# Altium PCB RGV_Control_1V21.PcbDoc (part 4 of 6) (continued)
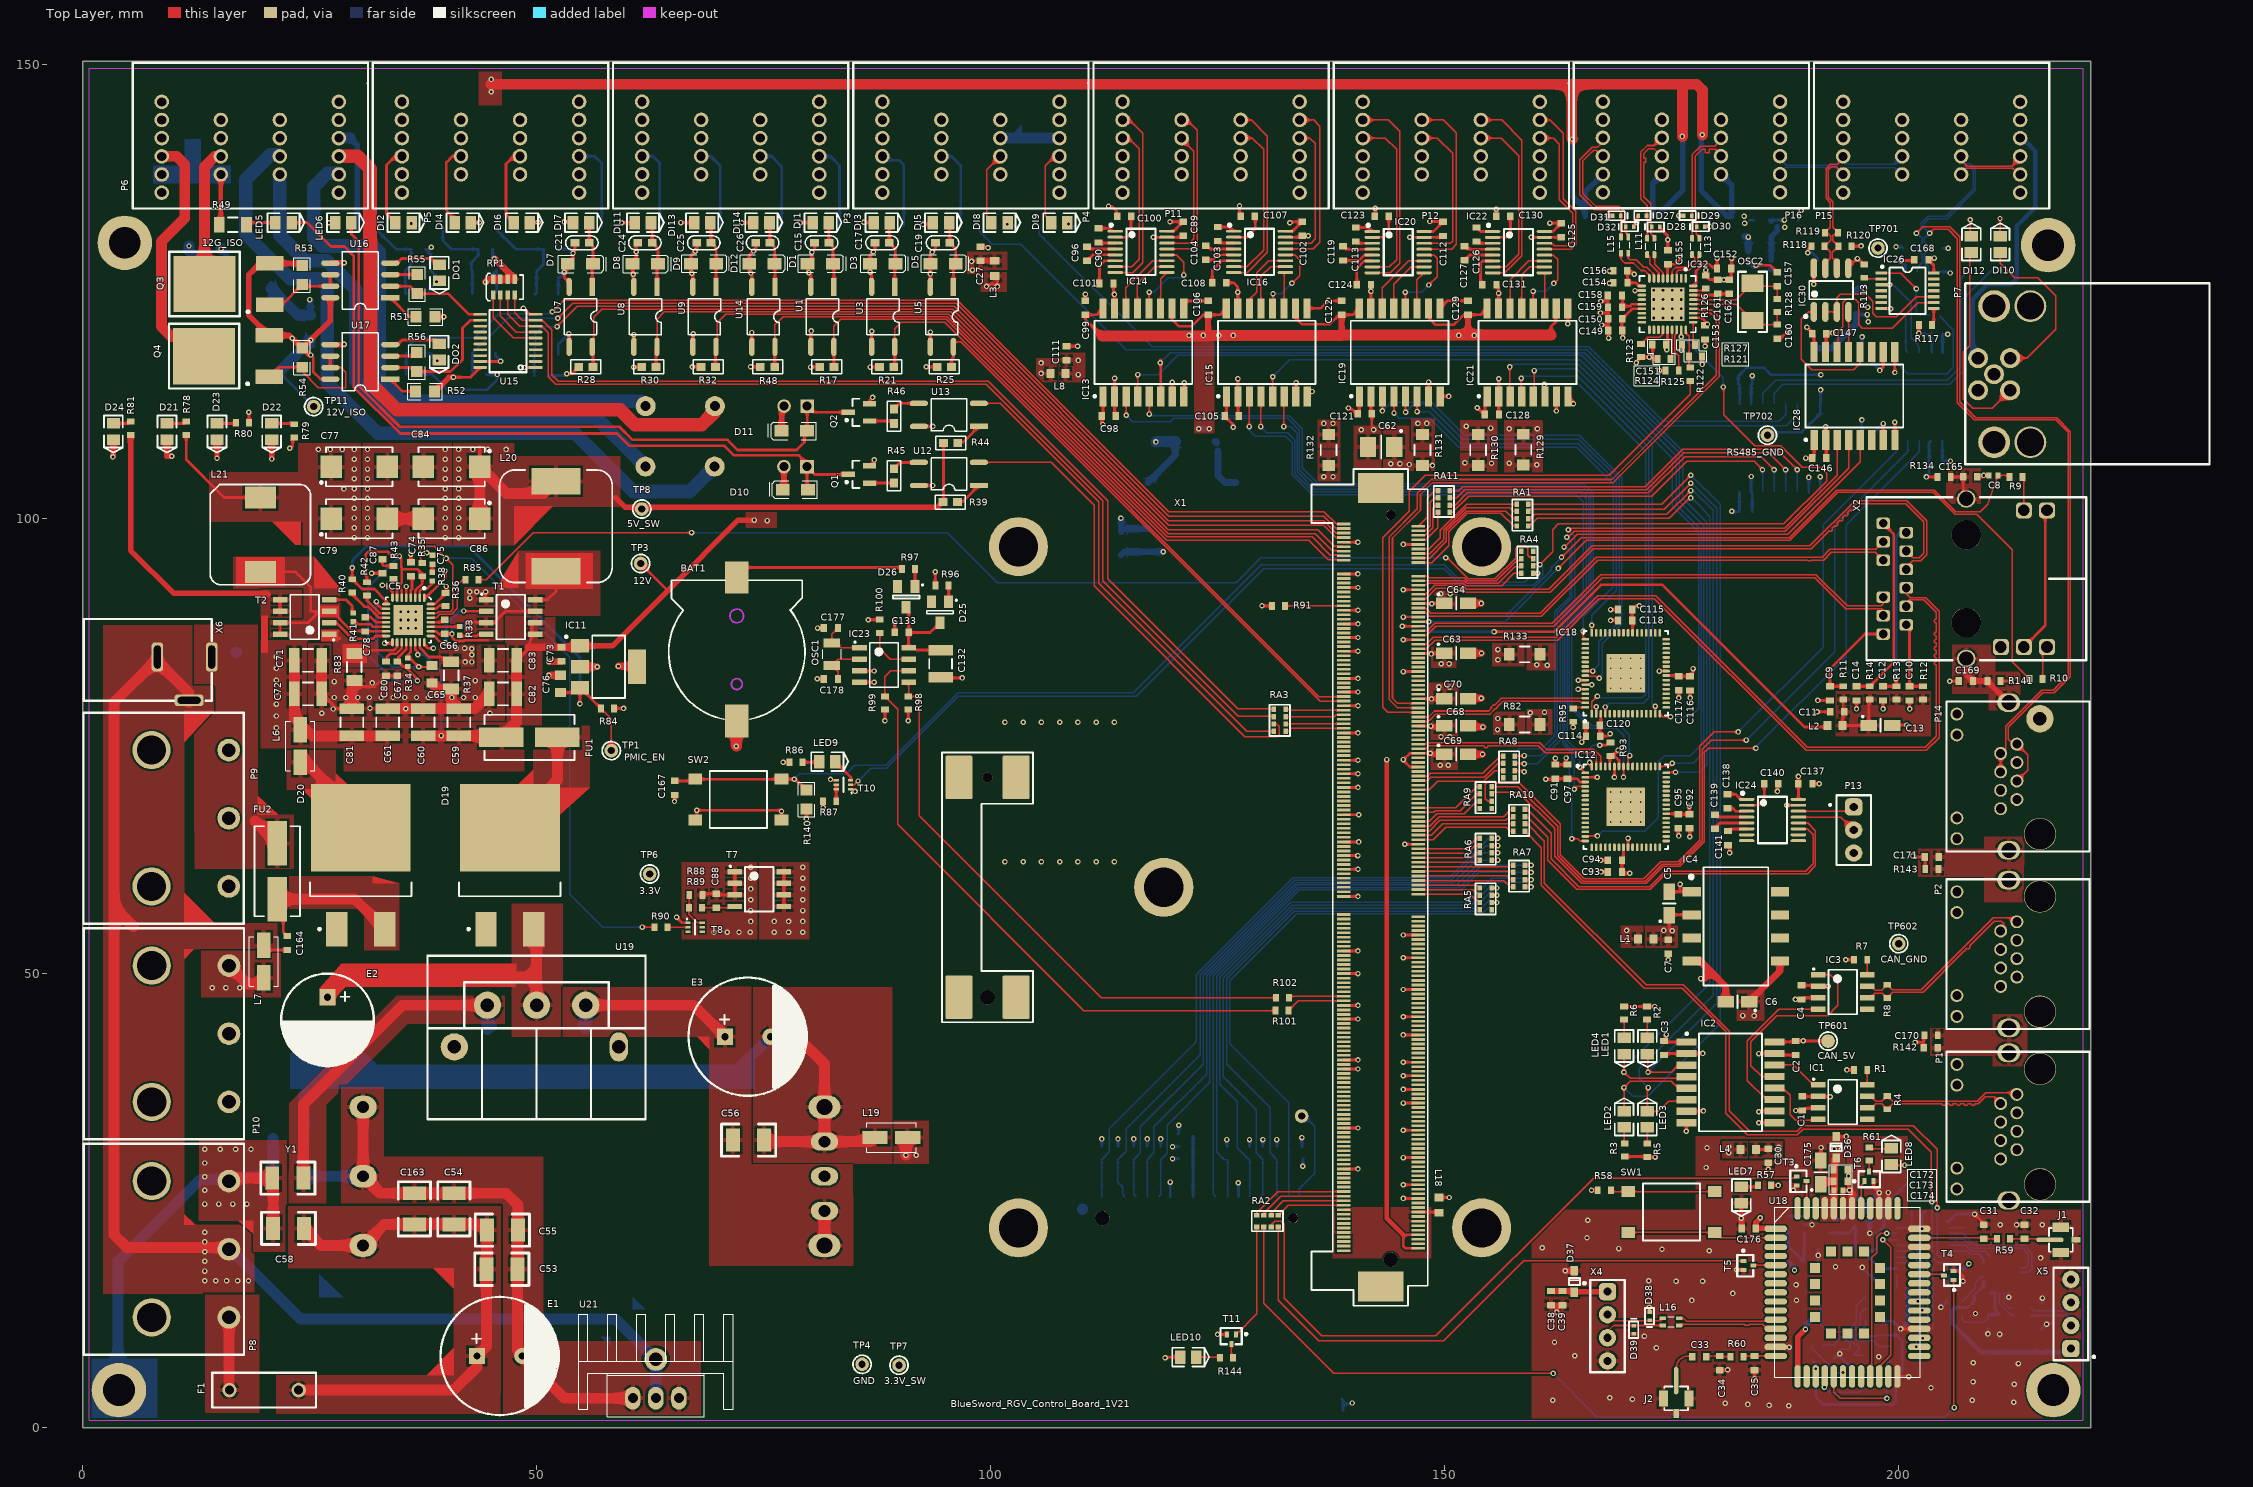
[diagram p0: Top Layer view]
## Nets (pads, with @x,y where several pads share a name; then routed paths per layer and width w, separated by ;. In a path a pad name is that pad's centre, name@x,y a point inside that pad or via, vN(x,y) a via of type N, cw(c..) or ccw(c..) an arc to the next point about the centre after c; other vN are vias at no path point) (continued)
NetDI12_K: DI12.K R139.2 | length 2.9
  Top Layer w0.15: v1(207.85,132.95) 207.85,131.24 DI12.K@207.975,131.115
  Bottom Layer w0.15: v1(207.85,132.95) 207.875,132.925 207.875,131.994 R139.2@207.856,131.975
NetDI13_A: DI13.A R31.2 | length 1.5
  Top Layer w0.3: v1(65.875,132.625) DI13.A@67.353,132.625
NetDI14_A: DI14.A R47.2 | length 1.3
  Top Layer w0.3: v1(72.625,132.6) 72.65,132.625 DI14.A@73.875,132.625
NetDO1_A: DO1.A U16.4 | length 5.9
  Top Layer w0.3: U16.4@33.907,128.168 34.658,128.168 35.155,128.665 38.369,128.665 38.659,128.375 38.936,128.375 DO1.A@39.319,127.992
NetDO2_A: DO2.A U17.4 | length 5.8
  Top Layer w0.3: U17.4@33.907,119.202 34.725,119.202 35.223,119.7 38.873,119.7 DO2.A@39.294,119.279
NetIC1_5: IC1.5
NetIC1_8: IC1.8 R1.1 | length 1.7
  Top Layer w0.15: IC1.8@196.502,37.668 196.502,39.339 R1.1@196.508,39.346
NetIC3_5: IC3.5
NetIC3_8: IC3.8 R7.1 | length 1.7
  Top Layer w0.15: IC3.8@196.502,49.835 196.502,51.481 R7.1@196.508,51.487
NetIC4_3: IC4.3
NetIC4_6: IC4.6
NetIC4_7: IC4.7
NetIC4_8: IC4.8
NetIC5_2: IC5.2 R38.2 | length 2.7
  Top Layer w0.3: IC5.2@37.155,91.325 37.155,92.045 37.49,92.38 38.024,92.38 38.538,92.894 R38.2@38.538,93.18
NetIC5_7: IC5.7 R43.2 | length 2.2
  Top Layer w0.3: R43.2@34.265,93.368 34.605,93.027 34.605,92.129 34.655,92.079 IC5.7@34.655,91.325
NetIC5_11: IC5.11 R42.1 | length 3.3
  Top Layer w0.3: R42.1@31.333,91.579 31.352,91.559 31.352,91.003 32.731,89.625 IC5.11@33.455,89.625
NetIC5_12: IC5.12 R40.2 | length 5
  Top Layer w0.3: R40.2@29.718,91.909 29.718,91.694 31.066,90.346 31.444,90.346 32.665,89.125 IC5.12@33.455,89.125
NetIC5_14: IC5.14 R41.1 | length 3.6
  Top Layer w0.3: R41.1@30.015,88.621 30.099,88.621 30.302,88.417 31.71,88.417 32.003,88.125 IC5.14@33.455,88.125
NetIC5_16: IC5.16 T2.2 | length 7.1
  Top Layer w0.3: T2.2@27.175,88.57 27.965,88.57 29.718,86.817 32.004,86.817 32.311,87.125 IC5.16@33.455,87.125
NetIC5_18: IC5.18 R83.1 T2.1 | length 6.7
  Top Layer w0.3: T2.1@27.175,87.3 T2.1@27.646,87.3 ; R83.1@29.936,85.608 29.936,85.203 R83.1@29.947,85.193 30.272,84.868 30.951,85.547 34.315,85.547 34.655,85.887 IC5.18@34.655,86.425
NetIC5_23: IC5.23 R37.1 T1.1 | length 5.6
  Top Layer w0.3: IC5.23@37.155,86.425 37.155,85.83 38.174,84.811 39.446,84.811 39.978,84.279 R37.1@40.486,84.279 ; T1.1@43.96,91.11 44.4,91.55 ; 44.399,91.551 v1(44.399,91.999)
  other v1: 42.139,84.257 42.875,84.252 42.875,85.039 42.875,85.725 41.159,85.757 42.088,85.75 42.672,91.288 42.647,91.973 43.434,91.999
NetIC5_25: IC5.25 T1.2 | length 7.7
  Top Layer w0.3: IC5.25@38.787,87.074 39.45,86.411 39.475,86.411 39.628,86.258 v1@39.903,86.258 ; v1(41.986,89.865) 42.011,89.84 43.619,89.84
  Bottom Layer w0.3: v1(39.957,86.385) 40.054,86.482 40.054,88.415 41.504,89.865 v1(41.986,89.865)
NetIC5_27: IC5.27 R33.1 | length 3
  Top Layer w0.3: IC5.27@38.355,88.125 41.326,88.125 R33.1@41.366,88.085
NetIC5_29: IC5.29 R85.2 | length 7.1
  Top Layer w0.15: IC5.29@38.355,89.125 38.964,89.125 39.375,89.535 40.656,89.535 41.3,90.179 41.3,92.729 41.891,93.32 R85.2@42.191,93.32
NetIC5_31: IC5.31 R36.2 | length 1.8
  Top Layer w0.3: IC5.31@38.355,90.125 38.969,90.125 39.319,90.475 39.803,90.475 R36.2@39.969,90.309
NetIC6_3: IC6.3 R139.1 | length 35.4
  Bottom Layer w0.15: IC6.3@184.998,112.673 184.998,113.848 186.425,115.275 205.3,115.275 206.781,116.756 206.781,126.5 R139.1@207.856,127.575
NetIC6_4: IC6.4 R138.1 | length 36.4
  Bottom Layer w0.15: IC6.4@186.268,112.673 186.268,113.848 187.228,114.808 205.599,114.808 207.213,116.422 207.213,124.363 210.5,127.65 R138.1@211.15,127.65
NetIC6_5: IC6.5 R137.1 | length 93.1
  Bottom Layer w0.15: R137.1@105.375,132.25 105.375,131.353 117.778,118.95 165.86,118.95 174.035,110.775 186.815,110.775 187.538,111.498 IC6.5@187.538,112.673
NetIC6_6: IC6.6 R136.1 | length 101.2
  Bottom Layer w0.15: R136.1@98.775,132.275 98.775,131.65 100.199,130.226 103.302,130.226 114.91,118.618 165.633,118.618 173.965,110.287 187.597,110.287 188.808,111.498 IC6.6@188.808,112.673
NetIC6_7: IC6.7
NetIC7_3: IC7.3
NetIC7_6: IC7.6
NetIC7_7: IC7.7
NetIC7_8: IC7.8
NetIC8_1: IC8.1
NetIC8_9: IC8.9 R72.2 | length 3.8
  Bottom Layer w0.15: R72.2@206.972,13.875 208.4,15.303 208.4,15.925 209.025,16.55 IC8.9@209.325,16.55
NetIC8_10: IC8.10
NetIC8_11: IC8.11
NetIC8_14: IC8.14
NetIC8_15: IC8.15
NetIC8_16: IC8.16
NetIC8_17: IC8.17
NetIC8_18: IC8.18
NetIC8_19: IC8.19
NetIC8_22: IC8.22
NetIC8_23: IC8.23
NetIC8_24: IC8.24
NetIC9_1: IC9.1 R67.2 | length 1.7
  Bottom Layer w0.15: R67.2@199.575,15.15 199.766,15.341 IC9.1@199.766,16.793
NetIC9_9: IC9.9 R69.2 | length 3.2
  Bottom Layer w0.15: IC9.9@199.766,21.993 199.813,21.946 200.896,21.946 201.434,22.484 R69.2@201.434,23.79
NetIC9_10: IC9.10 R71.2 | length 1.2
  Bottom Layer w0.15: IC9.10@199.766,22.643 199.766,23.822 R71.2@199.81,23.866
NetIC9_12: IC9.12 R70.1 | length 1.8
  Bottom Layer w0.15: IC9.12@205.466,21.993 207.224,21.993 R70.1@207.264,22.033
NetIC9_20: IC9.20 R68.1 | length 1.4
  Bottom Layer w0.15: R68.1@205.25,15.45 205.466,15.666 IC9.20@205.466,16.793
NetIC10_3: IC10.3 R75.2 | length 1.9
  Bottom Layer w0.3: R75.2@187.749,23.229 189.52,23.229 IC10.3@189.592,23.302
NetIC10_4: IC10.4 R76.1 R77.2 | length 3.3
  Bottom Layer w0.3: IC10.4@192.392,23.302 192.846,22.848 R76.1@193.913,22.848 194.738,23.673 R77.2@195.184,23.673
NetIC12_1: IC12.1 IC15.6 | length 74.8
  Top Layer w0.15: v1(132.275,110.175) 132.275,113.345 132.225,113.395 IC15.6@132.319,113.489 ; v1(164.871,72.655) IC12.1@165.476,72.051
  Bottom Layer w0.15: v1(132.275,110.175) 133.025,110.175 133.75,109.45 133.75,105.175 135.632,103.293 164.922,103.293 165.825,102.39 165.825,91.251 163.475,88.901 163.475,75.575 164.871,74.179 v1(164.871,72.655)
NetIC12_4: IC12.4 IC15.4 | length 79.4
  Top Layer w0.15: v1@129.75,110.1 v1(129.75,110.175) 129.75,113.375 129.707,113.417 IC15.4@129.779,113.489 ; v1(164.263,70.231) 164.593,70.561 165.465,70.561 IC12.4@165.476,70.551
  Bottom Layer w0.15: v1@129.75,110.1 130.375,109.475 132.725,109.475 133.5,108.7 133.5,105 135.507,102.993 164.798,102.993 165.575,102.215 165.575,91.525 163.225,89.175 163.225,75.359 164.263,74.322 v1(164.263,70.231)
NetIC12_5: IC12.5
NetIC12_6: IC12.6
NetIC12_7: IC12.7
NetIC12_8: IC12.8
NetIC12_9: IC12.9
NetIC12_10: IC12.10
NetIC12_11: IC12.11
NetIC12_12: IC12.12
NetIC12_13: IC12.13
NetIC12_14: IC12.14
NetIC12_15: IC12.15 IC15.5 | length 105.3
  Top Layer w0.15: IC15.5@131.049,113.489 v1(131.049,115.649) ; IC12.15@165.476,65.051 165.526,65.051 165.575,65.1 v1(166.802,65.1)
  Bottom Layer w0.15: v1(131.049,115.649) 132.95,117.55 164.873,117.55 175.489,106.934 175.489,101.575 178.25,98.813 178.25,75.125 177.05,73.925 174.193,73.925 173.525,73.257 173.525,67.099 172.034,65.608 167.31,65.608 v1(166.802,65.1)
NetIC12_16: IC12.16 IC15.3 | length 86
  Top Layer w0.15: v1@128.473,110.388 128.473,113.453 IC15.3@128.509,113.489 ; v1@164.059,64.795 164.627,64.795 164.871,64.551 IC12.16@165.476,64.551
  Bottom Layer w0.15: v1@128.473,110.388 v1(128.473,110.175) 128.473,109.777 129.125,109.125 132.45,109.125 133.2,108.375 133.2,104.875 135.411,102.664 164.467,102.664 165.25,101.882 165.25,91.7 162.975,89.425 162.975,76.675 162.975,75.256 163.975,74.256 163.975,73.373 163.688,73.085 163.688,69.993 163.982,69.698 v1(163.982,64.795)
NetIC12_17: IC12.17
NetIC12_18: IC12.18
NetIC12_19: IC12.19
NetIC12_20: IC12.20
NetIC12_21: IC12.21
NetIC12_22: IC12.22
NetIC12_23: IC12.23
NetIC12_26: IC12.26
NetIC12_27: IC12.27
NetIC12_28: IC12.28
NetIC12_29: IC12.29
NetIC12_30: IC12.30
NetIC12_31: IC12.31
NetIC12_32: IC12.32
NetIC12_33: IC12.33
NetIC12_34: IC12.34
NetIC12_35: IC12.35
NetIC12_36: IC12.36
NetIC12_37: IC12.37
NetIC12_38: IC12.38
NetIC12_40: IC12.40
NetIC12_41: IC12.41
NetIC12_42: IC12.42
NetIC12_43: IC12.43
NetIC12_44: IC12.44
NetIC12_45: IC12.45
NetIC12_46: IC12.46
NetIC12_47: IC12.47
NetIC12_48: IC12.48 IC13.6 | length 107.4
  Top Layer w0.15: IC12.48@174.376,72.051 174.443,71.984 174.57,72.111 v1(175.4,72.111)
  Top Layer w0.3: v1(118.675,117.2) 118.675,117.487 118.73,117.541 IC13.6@118.73,113.489
  Bottom Layer w0.15: v1(118.675,117.2) 119.775,118.3 165.342,118.3 176.2,107.442 176.2,102.26 178.85,99.61 178.85,72.925 178.036,72.111 v1(175.4,72.111)
NetIC12_49: IC12.49 IC13.4 | length 107
  Top Layer w0.15: IC13.4@116.19,113.489 v1(116.19,115.893) ; IC12.49@173.676,72.751 174.682,72.751 v1(175.031,73.1)
  Bottom Layer w0.15: v1(116.19,115.893) 118.433,115.893 120.574,118.034 165.1,118.034 175.819,107.315 175.819,101.956 178.525,99.249 178.525,74.275 177.35,73.1 v1(175.031,73.1)
NetIC12_50: IC12.50
NetIC12_51: IC12.51
NetIC12_52: IC12.52
NetIC12_53: IC12.53
NetIC12_54: IC12.54
NetIC12_55: IC12.55
NetIC12_56: IC12.56 IC13.5 | length 92.7
  Top Layer w0.15: IC13.5@117.46,113.489 117.475,113.473 v1(117.475,111.55) ; IC12.56@170.176,72.751 170.176,73.751 v1(170.375,73.95)
  Bottom Layer w0.15: v1(117.475,111.55) 117.671,111.354 132.867,111.354 134.315,109.906 134.315,105.635 136.057,103.893 165.322,103.893 166.325,102.89 166.325,90.8 163.975,88.45 163.975,79.431 166.194,77.212 169.313,77.212 170.3,76.225 170.3,73.875 v1(170.375,73.95)
NetIC12_57: IC12.57 IC13.3 | length 97.1
  Top Layer w0.15: v1(114.92,111.424) IC13.3@114.92,113.489 ; v1(169.676,71.55) IC12.57@169.676,72.751
  Bottom Layer w0.15: v1(114.92,111.424) 115.644,110.7 119.791,110.7 120.165,111.074 132.715,111.074 134,109.789 134,105.44 135.834,103.607 165.125,103.607 166.075,102.657 166.075,91.05 163.725,88.7 163.725,79.327 166.091,76.962 168.888,76.962 169.676,76.174 v1(169.676,71.55)
NetIC12_61: IC12.61
NetIC12_64: IC12.64 R93.1 | length 4.7
  Top Layer w0.3: v1(165.938,73.196) 165.938,72.988 IC12.64@166.176,72.751 ; v1(167.05,75.1) 167.771,75.1 R93.1@168.199,75.528
  Bottom Layer w0.15: v1(165.938,73.196) 165.938,74.738 166.3,75.1 v1(167.05,75.1)
NetIC13_11: IC13.11 IC14.9 | length 4.2
  Top Layer w0.15: IC13.11@118.71,123.189 118.71,126.426 IC14.9@119.408,127.124
NetIC13_12: IC13.12 IC14.12 | length 10
  Top Layer w0.15: IC13.12@117.44,123.189 117.44,124.933 v1(117.475,124.969) ; IC14.12@119.408,129.074 120.451,129.074 121.26,128.265 v1(121.26,126.848)
  Bottom Layer w0.15: v1(117.475,124.969) 117.933,124.969 119.532,126.568 120.98,126.568 v1(121.26,126.848)
NetIC13_13: IC13.13 IC14.10 | length 6.7
  Top Layer w0.15: IC13.13@116.17,123.189 116.17,125.895 118.049,127.774 IC14.10@119.408,127.774
NetIC13_14: IC13.14 IC14.11 | length 8
  Top Layer w0.15: IC13.14@114.9,123.189 114.9,125.45 117.874,128.424 IC14.11@119.408,128.424
NetIC15_11: IC15.11 IC16.9 | length 4
  Top Layer w0.15: IC15.11@132.299,123.189 132.299,126.967 IC16.9@132.455,127.123
NetIC15_12: IC15.12 IC16.12 | length 8.9
  Top Layer w0.15: IC15.12@131.029,123.189 131.089,123.249 v1(131.089,124.79) ; IC16.12@132.455,129.073 133.507,129.073 134.025,128.555 134.025,126.795 v1@133.18,125.951
  Bottom Layer w0.15: v1(131.089,124.79) 132.004,124.79 v1(133.172,125.959)
NetIC15_13: IC15.13 IC16.10 | length 6.7
  Top Layer w0.15: IC15.13@129.759,123.189 129.759,126.709 130.823,127.773 IC16.10@132.455,127.773
NetIC15_14: IC15.14 IC16.11 | length 8
  Top Layer w0.15: IC15.14@128.489,123.189 128.489,124.172 129.3,124.983 129.3,127.125 130.598,128.423 IC16.11@132.455,128.423
NetIC17_3: IC17.3
NetIC17_6: IC17.6
NetIC17_7: IC17.7
NetIC17_8: IC17.8
NetIC18_1: IC18.1 IC21.6 | length 50
  Top Layer w0.15: v1(160.96,114.808) 160.96,113.549 IC21.6@161.021,113.489 ; IC18.1@166.176,78.557 166.182,78.551 166.201,78.57 166.201,79.894 v1(166.8,80.493)
  Bottom Layer w0.15: v1(160.96,114.808) 164.744,114.808 172.11,107.442 172.11,80.721 171.704,80.315 166.978,80.315 v1(166.8,80.493)
NetIC18_4: IC18.4 IC21.4 | length 52.9
  Top Layer w0.15: v1(158.42,115.5) 158.42,113.549 IC21.4@158.481,113.489 ; IC18.4@167.676,78.557 v1(167.676,79.298)
  Bottom Layer w0.15: v1(158.42,115.5) 158.642,115.722 164.643,115.722 172.466,107.899 172.466,80.319 171.853,79.706 168.084,79.706 v1(167.676,79.298)
NetIC18_5: IC18.5
NetIC18_6: IC18.6
NetIC18_7: IC18.7
NetIC18_8: IC18.8
NetIC18_9: IC18.9
NetIC18_10: IC18.10
NetIC18_11: IC18.11
NetIC18_12: IC18.12
NetIC18_13: IC18.13
NetIC18_14: IC18.14
NetIC18_15: IC18.15 IC21.5 | length 49.2
  Top Layer w0.15: IC21.5@159.751,113.489 159.842,113.58 v1(159.842,116.332) ; IC18.15@173.176,78.557 v1(173.176,79.375)
  Bottom Layer w0.15: v1(159.842,116.332) 160.045,116.535 164.541,116.535 172.847,108.229 172.847,79.704 v1(173.176,79.375)
NetIC18_16: IC18.16 IC21.3 | length 59.3
  Top Layer w0.15: v1(157.15,116.738) 157.15,113.549 IC21.3@157.211,113.489 ; IC18.16@173.676,78.557 174.008,78.225 v1(174.85,78.225)
  Bottom Layer w0.15: v1(157.15,116.738) 157.15,116.571 157.597,117.018 164.694,117.018 175.05,106.661 175.05,101.429 177.95,98.529 177.95,79.15 177.025,78.225 v1(174.85,78.225)
NetIC18_17: IC18.17
NetIC18_18: IC18.18
NetIC18_19: IC18.19
NetIC18_20: IC18.20
NetIC18_21: IC18.21
NetIC18_22: IC18.22
NetIC18_23: IC18.23
NetIC18_26: IC18.26
NetIC18_27: IC18.27
NetIC18_28: IC18.28
NetIC18_29: IC18.29
NetIC18_30: IC18.30
NetIC18_31: IC18.31
NetIC18_32: IC18.32
NetIC18_33: IC18.33
NetIC18_34: IC18.34
NetIC18_35: IC18.35
NetIC18_36: IC18.36
NetIC18_37: IC18.37
NetIC18_38: IC18.38
NetIC18_40: IC18.40
NetIC18_41: IC18.41
NetIC18_42: IC18.42
NetIC18_43: IC18.43
NetIC18_44: IC18.44
NetIC18_45: IC18.45
NetIC18_46: IC18.46
NetIC18_47: IC18.47
NetIC18_48: IC18.48 IC19.6 | length 44.6
  Top Layer w0.15: v1(146.949,111.826) IC19.6@146.949,113.489 ; v1(166.175,88.3) 166.175,87.458 IC18.48@166.176,87.457
  Bottom Layer w0.15: v1(146.949,111.826) 148.274,111.826 151.8,108.3 164.705,108.3 168.859,104.146 168.859,92.084 166.175,89.4 v1(166.175,88.3)
NetIC18_49: IC18.49 IC19.4 | length 47.8
  Top Layer w0.15: v1(144.409,111.659) IC19.4@144.409,113.489 ; v1(165.225,87.625) 165.225,87.008 IC18.49@165.476,86.757
  Bottom Layer w0.15: v1(144.409,111.659) 144.968,111.1 148.35,111.1 151.55,107.9 164.54,107.9 168.554,103.886 168.554,92.554 165.225,89.225 v1(165.225,87.625)
NetIC18_50: IC18.50
NetIC18_51: IC18.51
NetIC18_52: IC18.52
NetIC18_53: IC18.53
NetIC18_54: IC18.54
NetIC18_55: IC18.55
NetIC18_56: IC18.56 IC19.5 | length 52.2
  Top Layer w0.15: v1(145.679,111.754) IC19.5@145.679,113.489 ; IC18.56@165.476,83.257 v1(166.282,83.257)
  Bottom Layer w0.15: v1(145.679,111.754) 146.55,112.625 148.129,112.625 151.954,108.8 164.775,108.8 169.189,104.386 169.189,88.697 166.954,86.462 166.954,83.929 v1(166.282,83.257)
NetIC18_57: IC18.57 IC19.3 | length 56.6
  Top Layer w0.15: v1(143.139,111.895) IC19.3@143.139,113.489 ; IC18.57@165.476,82.757 165.551,82.682 166.793,82.682 v1(167,82.475)
  Bottom Layer w0.15: v1(143.139,111.895) 144.119,112.875 148.569,112.875 152.219,109.225 164.825,109.225 169.5,104.55 169.5,88.474 167.31,86.284 167.31,82.86 167,82.55 v1(167,82.475)
NetIC18_61: IC18.61
NetIC18_64: IC18.64 R95.1 | length 1.4
  Top Layer w0.15: R95.1@164.15,79.125 164.282,79.257 IC18.64@165.476,79.257
NetIC19_11: IC19.11 IC20.9 | length 4.2
  Top Layer w0.15: IC19.11@146.929,123.189 146.929,126.313 IC20.9@147.715,127.098
NetIC19_12: IC19.12 IC20.12 | length 10.6
  Top Layer w0.15: v1(145.644,124.968) 145.659,124.953 IC19.12@145.659,123.189 IC19.12@145.659,122.2 ; IC20.12@147.715,129.048 148.827,129.048 149.15,128.725 149.15,126.675 v1@148.232,125.757
  Bottom Layer w0.15: v1(145.644,124.968) 147.447,124.968 v1(148.234,125.755)
NetIC19_13: IC19.13 IC20.10 | length 6.8
  Top Layer w0.15: IC19.13@144.389,123.189 144.389,125.82 146.317,127.748 IC20.10@147.715,127.748
NetIC19_14: IC19.14 IC20.11 | length 8.1
  Top Layer w0.15: IC19.14@143.119,123.189 143.119,125.476 146.041,128.398 IC20.11@147.715,128.398
NetIC21_11: IC21.11 IC22.9 | length 3.9
  Top Layer w0.15: IC22.9@160.965,127.098 161.001,127.063 IC21.11@161.001,123.189
NetIC21_12: IC21.12 IC22.12 | length 9
  Top Layer w0.15: v1(159.715,125.07) 159.731,125.054 IC21.12@159.731,123.189 ; IC22.12@160.965,129.048 161.952,129.048 162.425,128.575 162.425,126.325 v1@162.017,125.917
  Bottom Layer w0.15: v1(159.715,125.07) 161.138,125.07 v1(162.001,125.933)
NetIC21_13: IC21.13 IC22.10 | length 6.5
  Top Layer w0.15: IC21.13@158.461,123.189 158.461,126.861 159.348,127.748 IC22.10@160.965,127.748
NetIC21_14: IC21.14 IC22.11 | length 7.8
  Top Layer w0.15: IC21.14@157.191,123.189 157.191,126.341 159.248,128.398 IC22.11@160.965,128.398
NetIC23_7: IC23.7 R100.1 | length 5.4
  Top Layer w0.15: R100.1@87.808,87.464 87.808,85.69 88.941,84.557 IC23.7@90.965,84.557
NetIC24_7: IC24.7
NetIC24_8: IC24.8
NetIC24_9: IC24.9
NetIC24_10: IC24.10
NetIC25_6: IC25.6
NetIC25_11: IC25.11
NetIC25_12: IC25.12 IC27.1 | length 14.4
  Bottom Layer w0.15: IC25.12@199.72,118.288 199.72,117.23 200.95,116 205.3,116 206,116.7 206,120.8 204.535,122.265 IC27.1@204.535,122.4
NetIC25_13: IC25.13 IC27.4 | length 4.2
  Bottom Layer w0.15: IC27.4@200.725,122.4 200.725,118.553 IC25.13@200.99,118.288
NetIC25_14: IC25.14 IC26.3 | length 10
  Top Layer w0.15: IC26.3@198.039,125.77 198.96,125.77 v1(198.975,125.785)
  Bottom Layer w0.15: v1(198.975,125.785) 199.365,125.785 201.375,123.775 201.37,123.77 201.37,119.955 201.575,119.75 201.584,119.75 201.745,119.589 201.745,119.58 202.05,119.275 202.05,119.025 202.26,118.815 IC25.14@202.26,118.288
NetIC26_1: IC26.1 IC27.2 IC27.3 | length 8.8
  Top Layer w0.15: IC26.1@198.039,127.07 200.205,127.07 v1(201.925,125.35)
  Bottom Layer w0.15: v1(201.925,125.35) 201.925,122.624 202.082,122.466 IC27.2@203.352,122.466
NetIC26_2: IC26.2 R113.1 | length 1.9
  Top Layer w0.15: R113.1@196.164,126.554 196.298,126.42 IC26.2@198.039,126.42
NetIC26_8: IC26.8 R117.1 | length 1.9
  Top Layer w0.3: R117.1@203.65,121.35 203.839,121.539 IC26.8@203.839,123.17
NetIC26_9: IC26.9 IC28.14 | length 20.8
  Top Layer w0.15: IC28.14@193.182,117.393 IC28.14@193.182,118.388 193.3,118.506 193.3,120.694 193.792,121.186 193.792,123.785 194.213,124.206 195.199,124.206 195.58,123.825 195.58,121.395 195.975,121 199.25,121 202.07,123.82 IC26.9@203.839,123.82
NetIC26_10: IC26.10 IC30.2 IC30.3 | length 16.3
  Top Layer w0.15: IC30.2@191.897,122.797 IC30.3@193.167,122.797 193.167,124.327 193.561,124.72 196.361,124.72 197.12,123.961 197.12,122.655 197.525,122.25 199.7,122.25 201.92,124.47 IC26.10@203.839,124.47
NetIC28_6: IC28.6
NetIC28_11: IC28.11
NetIC28_12: IC28.12 IC30.1 | length 14.6
  Top Layer w0.15: IC30.1@190.627,122.797 190.056,122.797 189.255,121.996 189.255,117.602 190.408,116.45 195.046,116.45 195.722,117.126 IC28.12@195.722,118.388
NetIC28_13: IC28.13 IC30.4 | length 4.4
  Top Layer w0.15: IC30.4@194.437,122.797 194.452,122.781 IC28.13@194.452,118.388
NetIC31_3: IC31.3
NetIC31_6: IC31.6
NetIC31_7: IC31.7
NetIC31_8: IC31.8
NetIC32_1: IC32.1
NetIC32_2: IC32.2
NetIC32_12: IC32.12
NetIC32_13: IC32.13
NetIC32_16: IC32.16
NetIC32_17: IC32.17
NetIC32_18: IC32.18
NetIC32_19: IC32.19
NetIC32_20: IC32.20
NetIC32_21: IC32.21
NetIC32_22: IC32.22 R123.1 | length 3.3
  Top Layer w0.15: R123.1@171.603,119.271 172.345,120.014 173.675,120.014 174.025,120.363 IC32.22@174.025,120.825
NetIC32_24: IC32.24 R124.1 | length 3.1
  Top Layer w0.15: R124.1@174.969,117.733 175.025,117.789 IC32.24@175.025,120.825
NetIC32_25: IC32.25 R125.1 | length 4.7
  Top Layer w0.15: IC32.25@175.525,120.825 175.525,120.54 175.45,120.465 175.45,120.324 175.336,120.21 175.336,118.364 175.757,117.943 R125.1@175.757,116.336
NetIC32_28: IC32.28 R127.2 | length 2.6
  Top Layer w0.15: IC32.28@177.35,121.65 177.35,119.339 R127.2@177.55,119.139
NetIC32_35: IC32.35 R126.2 | length 1.5
  Top Layer w0.15: IC32.35@177.35,125.15 178.576,125.15 R126.2@178.74,125.314
NetLED1_A: LED1.A R2.1 | length 2
  Top Layer w0.15: R2.1@172.25,44.875 172.3,44.825 LED1.A@172.3,42.865
NetLED2_A: LED2.A R3.1 | length 1.8
  Top Layer w0.15: LED2.A@169.75,33.01 169.75,31.3 R3.1@169.8,31.25
NetLED3_A: LED3.A R5.2 | length 1.8
  Top Layer w0.15: R5.2@172.275,31.225 172.3,31.25 LED3.A@172.3,33.01
NetLED4_A: LED4.A R6.2 | length 2
  Top Layer w0.15: R6.2@169.725,44.875 169.75,44.85 LED4.A@169.75,42.865
NetLED5_A: LED5.A R49.2 | length 3.3
  Top Layer w0.3: R49.2@18.075,132.385 18.315,132.625 LED5.A@21.259,132.625
NetLED6_A: LED6.A R50.2 | length 0.7
  Top Layer w0.3: v1(27.125,132.6) 27.15,132.625 LED6.A@27.83,132.625
NetLED7_A: LED7.A R57.2 | length 1.9
  Top Layer w0.3: LED7.A@182.65,26.465 184.29,26.465 R57.2@184.475,26.65
NetLED8_K: LED8.K R61.2 | length 2.5
  Top Layer w0.15: R61.2@196.723,30.808 196.872,30.659 LED8.K@199.161,30.659
NetLED9_A: LED9.A R86.1 | length 1.9
  Top Layer w0.3: R86.1@79.296,73.226 81.085,73.226 LED9.A@81.135,73.277
NetLED9_K: LED9.K T10.3 | length 2.7
  Top Layer w0.3: LED9.K@82.915,73.277 84.585,71.607 T10.3@84.585,71.237
NetLED10_K: LED10.K R144.2 | length 2.6
  Top Layer w0.15: LED10.K@122.65,7.725 125.163,7.725 R144.2@125.239,7.649
NETLIGHT: T6.1 U18.47 | length 3.1
  Top Layer w0.15: U18.47@195.835,24.1 195.835,26.613 T6.1@196.269,27.048
NetP1_3: P1.3
NetP1_4: P1.4
NetP1_5: P1.5
NetP1_6: P1.6
NetP1_7: P1.7
NetP1_8: P1.8
NetP2_3: P2.3
NetP2_4: P2.4
NetP2_5: P2.5
NetP2_6: P2.6
NetP2_7: P2.7
NetP2_8: P2.8
NetP3_1: P3.1
NetP3_5: P3.5
NetP3_9: P3.9
NetP3_13: P3.13
NetP4_1: P4.1
NetP4_5: P4.5
NetP4_9: P4.9
NetP4_13: P4.13
NetP5_1: P5.1
NetP5_5: P5.5
NetP5_9: P5.9
NetP5_13: P5.13
NetP9_2: P9.2
NetP10_2: P10.2
NetP14_3: P14.3
NetP14_6: P14.6
NetP14_7: P14.7
NetP14_8: P14.8
NetQ1_3: Q1.3 R45.1 | length 2.7
  Top Layer w0.3: Q1.3@86.671,103.952 86.682,103.962 R45.1@89.357,103.962
NetQ2_3: Q2.3 R46.1 | length 2.8
  Top Layer w0.3: Q2.3@86.671,110.785 89.088,110.785 R46.1@89.357,110.515
NetQ3_1: Q3.1 R53.2 U16.6 U16.7 | length 8.9
  Top Layer w0.3: Q3.1@20.633,123.572 21.981,123.572 R53.2@24.206,125.798 24.375,125.628 U16.7@27.307,125.628 U16.6@27.307,126.898
NetQ4_1: Q4.1 R54.2 U17.6 U17.7 | length 14.9
  Top Layer w0.15: R54.2@24.206,116.704 24.206,116.238 25.994,114.45 28.981,114.45 29.006,114.475 29.006,116.14 28.484,116.662 U17.7@27.307,116.662
  Top Layer w0.3: Q4.1@20.591,115.637 21.658,116.704 R54.2@24.206,116.704 ; U17.7@27.307,116.662 U17.6@27.307,117.932
NetR33_2: R33.2 T1.4 | length 2.1
  Top Layer w0.3: R33.2@41.631,87.125 43.444,87.125 43.619,87.3
NetR39_2: R39.2 U12.1 | length 3.1
  Top Layer w0.3: R39.2@96.342,101.93 96.95,101.93 U12.1@98.702,103.683
NetR41_2: R41.2 T2.4 | length 3.6
  Top Layer w0.3: T2.4@27.175,91.11 29.006,91.11 29.718,90.399 R41.2@29.718,89.634
NetR44_2: R44.2 U13.1 | length 3
  Top Layer w0.3: R44.2@96.387,108.475 96.992,108.475 U13.1@98.702,110.185
NetR45_2: R45.2 U12.3 | length 3
  Top Layer w0.3: R45.2@89.357,105.537 90.043,106.223 U12.3@92.102,106.223
NetR46_2: R46.2 U13.3 | length 3
  Top Layer w0.3: R46.2@89.357,112.09 89.992,112.725 U13.3@92.102,112.725
NetR51_2: R51.2 U16.1 | length 3.7
  Top Layer w0.3: U16.1@33.907,124.358 36.015,122.25 R51.2@36.72,122.25
NetR52_2: R52.2 U17.1 | length 3.3
  Top Layer w0.3: U17.1@33.907,115.392 35.253,114.046 R52.2@36.694,114.046
NetR55_1: R55.1 U16.3 | length 3
  Top Layer w0.3: U16.3@33.907,126.898 33.916,126.907 R55.1@36.881,126.907
NetR56_1: R56.1 U17.3 | length 3.1
  Top Layer w0.3: U17.3@33.907,117.932 36.44,117.932 R56.1@36.83,118.322
NetR58_2: R58.2 SW1.3 SW1.4 | length 11.5
  Top Layer w0.15: R58.2@168.289,26.086 168.426,25.948 SW1.3@170.205,25.948 SW1.4@179.705,25.948
NetR61_1: R61.1 T6.3 | length 1.3
  Top Layer w0.15: R61.1@196.723,29.358 196.723,28.185 196.731,28.177 T6.3@196.731,28.06
NetR122_1: R122.1 X1.84 | length 66
  Top Layer w0.15: X1.84@147.062,78.696 143.698,78.696 143.15,79.244 143.15,97.925 146.075,100.85 146.075,103.033 147.843,104.8 168.1,104.8 177.013,113.713 R122.1@177.013,115.205
NetR144_1: R144.1 T11.3 | length 1.6
  Top Layer w0.15: T11.3@126.517,9.164 126.517,7.821 R144.1@126.689,7.649
NetRA2_1: RA2.1 X1.301 | length 7.6
  Top Layer w0.15: RA2.1@131.675,23.35 132.771,24.446 X1.301@138.862,24.446
NetRA2_2: RA2.2 X1.299 | length 8.8
  Top Layer w0.15: RA2.2@130.875,23.35 130.875,23.585 132.236,24.946 X1.299@138.862,24.946
NetRA2_3: RA2.3 X1.297 | length 9.8
  Top Layer w0.15: RA2.3@130.075,23.35 130.075,23.563 131.958,25.446 X1.297@138.862,25.446
NetRA2_4: RA2.4 X1.295 | length 10.8
  Top Layer w0.15: RA2.4@129.275,23.35 129.275,23.611 131.61,25.946 X1.295@138.862,25.946
NetRA3_1: RA3.1 X1.91 | length 6.5
  Top Layer w0.15: RA3.1@132.475,76.625 132.8,76.625 133.121,76.946 X1.91@138.862,76.946
NetRA3_2: RA3.2 X1.89 | length 6.4
  Top Layer w0.15: RA3.2@132.475,77.425 132.8,77.425 132.821,77.446 X1.89@138.862,77.446
NetRA3_3: RA3.3 X1.85 | length 6.5
  Top Layer w0.15: RA3.3@132.475,78.225 137.816,78.225 138.037,78.446 X1.85@138.862,78.446
NetRA3_4: RA3.4 X1.83 | length 6.4
  Top Layer w0.15: RA3.4@132.475,79.025 132.8,79.025 132.879,78.946 X1.83@138.862,78.946
NetRA4_1: RA4.1
NetRA4_5: RA4.5
NetRA5_4: RA5.4
NetRA5_8: RA5.8
NetRA8_1: RA8.1 X1.112 | length 10.3
  Top Layer w0.15: X1.112@147.062,71.696 148.107,71.696 148.411,72 154.2,72 156.1,73.9 RA8.1@156.425,73.9
NetRA8_2: RA8.2 X1.114 | length 10.2
  Top Layer w0.15: X1.114@147.062,71.196 148.082,71.196 148.432,71.546 154.35,71.546 155.904,73.1 RA8.2@156.425,73.1
NetRA8_3: RA8.3 X1.118 | length 10.2
  Top Layer w0.15: X1.118@147.062,70.196 148.296,70.196 149.225,71.125 154.31,71.125 155.485,72.3 RA8.3@156.425,72.3
NetRA8_4: RA8.4
NetRA8_8: RA8.8
NetRA9_1: RA9.1 X1.126 | length 7.7
  Top Layer w0.15: X1.126@147.062,68.196 151.196,68.196 153.523,70.523 RA9.1@153.848,70.523
NetRA9_2: RA9.2 X1.128 | length 7.6
  Top Layer w0.15: X1.128@147.062,67.696 148.783,67.696 148.962,67.875 151.675,67.875 153.523,69.723 RA9.2@153.848,69.723
NetRA9_3: RA9.3 X1.132 | length 7.7
  Top Layer w0.15: X1.132@147.062,66.696 148.267,66.696 149.108,67.536 152.136,67.536 153.523,68.923 RA9.3@153.848,68.923
NetRA9_4: RA9.4
NetRA9_8: RA9.8
NetRA10_1: RA10.1 X1.134 | length 11.2
  Top Layer w0.15: X1.134@147.062,66.196 148.338,66.196 149.363,67.221 156.477,67.221 157.277,68.021 RA10.1@157.531,68.021
NetRA10_2: RA10.2 X1.136 | length 11.1
  Top Layer w0.15: X1.136@147.062,65.696 148.328,65.696 149.454,66.821 156.692,66.821 156.87,67 157.31,67 RA10.2@157.531,67.221
NetRA10_3: RA10.3 X1.138 | length 11
  Top Layer w0.15: X1.138@147.062,65.196 148.535,65.196 149.76,66.421 RA10.3@157.531,66.421
NetRA10_4: RA10.4 X1.140 | length 11.2
  Top Layer w0.15: X1.140@147.062,64.696 148.742,64.696 150.121,66.075 156.752,66.075 157.206,65.621 RA10.4@157.531,65.621